# KiCad board Motw.kicad_pcb
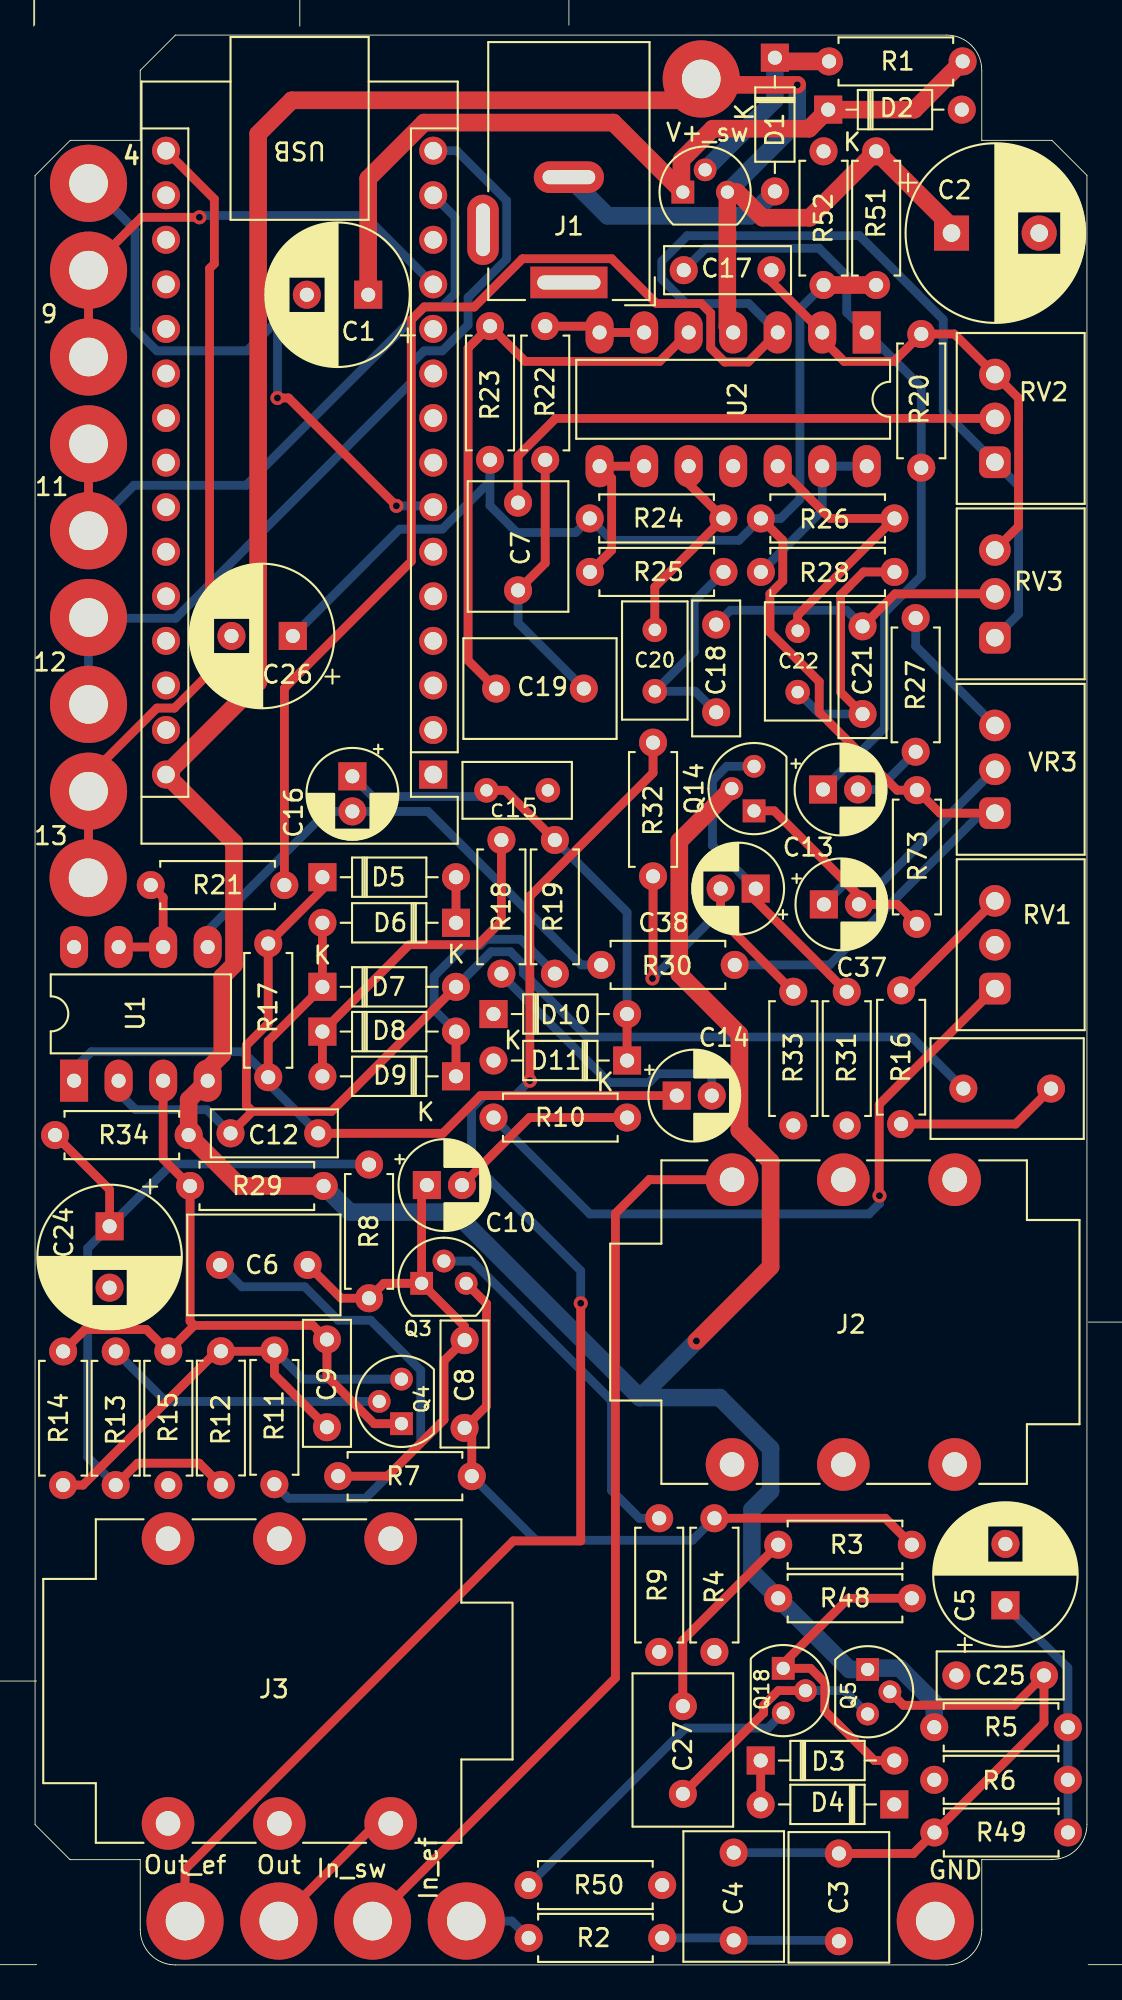
[diagram p0: board, top side]
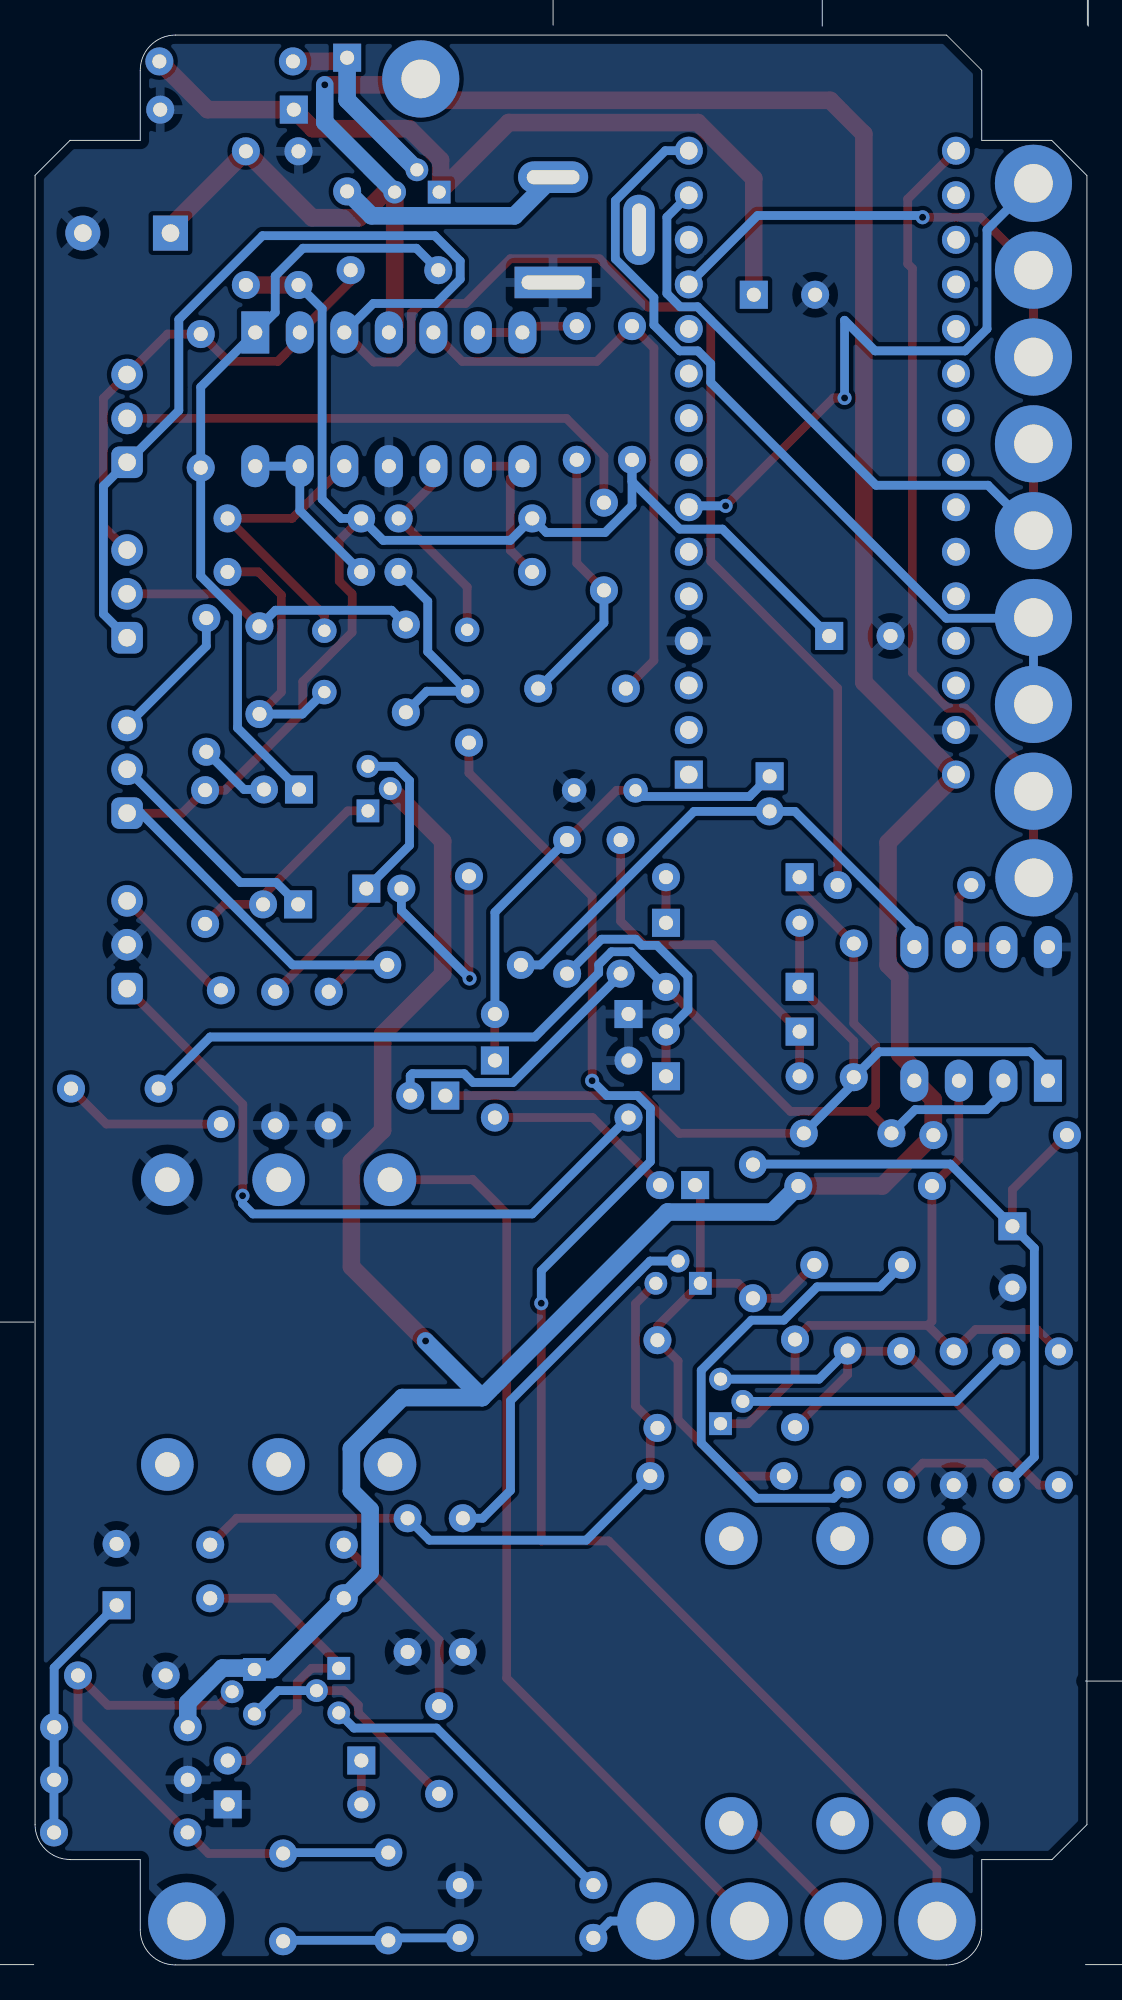
[diagram p1: board, bottom side, seen from below]

Outline 60 x 110 mm; copper layers: Top, Bottom. Coordinates in mm from the lower left corner of the outline.
Outline path: 0,8 0,102 2,104 6,104 6,108 8,110 52,110 arc(53.41,109.41) 54,108 54,104 58,104 60,102 60,8 arc(59.42,6.59) 58,6.01 58,6 54,6 54,2 arc(53.42,0.58) 52,0 8,0 arc(6.59,0.59) 6,2 6,6 1.99,6 0,8

## Placement (name value [footprint] x y rotation side)
4  MountingHole_Pad  [MountingHole_2.2mm_M2_Pad]  3.05 101.55 180 top
9  MountingHole_Pad  [MountingHole_2.2mm_M2_Pad]  3.05 96.6 180 top
9#2  MountingHole_Pad  [MountingHole_2.2mm_M2_Pad]  3.05 91.65 180 top
11  MountingHole_Pad  [MountingHole_2.2mm_M2_Pad]  3.05 81.75 0 top
11#2  MountingHole_Pad  [MountingHole_2.2mm_M2_Pad]  3.05 86.7 0 top
12  MountingHole_Pad  [MountingHole_2.2mm_M2_Pad]  3.05 71.85 0 top
12#2  MountingHole_Pad  [MountingHole_2.2mm_M2_Pad]  3.05 76.8 0 top
13  MountingHole_Pad  [MountingHole_2.2mm_M2_Pad]  3.02 61.96 180 top
13#2  MountingHole_Pad  [MountingHole_2.2mm_M2_Pad]  3.05 66.9 180 top
A1  Arduino_Nano_v3.x  [Arduino_Nano]  22.71 67.85 180 top
C1  47u  [CP_Radial_D8.0mm_P3.50mm]  19 95.2 180 top
C2  100u  [CP_Radial_D10.0mm_P5.00mm]  52.28 98.72 0 top
C3  1u  [C_Rect_L7.2mm_W5.5mm_P5.00mm_FKS2_FKP2_MKS2_MKP2]  45.85 6.35 270 top
C4  1u  [C_Rect_L7.2mm_W5.5mm_P5.00mm_FKS2_FKP2_MKS2_MKP2]  39.85 6.4 270 top
C5  47u  [CP_Radial_D8.0mm_P3.50mm]  55.35 20.5 90 top
C6  47n  [C_Rect_L8.5mm_W5.5mm_P5.00mm_FKS2_FKP2_MKS2_MKP2]  15.55 39.9 180 top
C7  47u  [C_Rect_L7.2mm_W5.5mm_P5.00mm_FKS2_FKP2_MKS2_MKP2]  27.55 78.35 90 top
C8  100p  [C_Rect_L7.0mm_W2.5mm_P5.00mm]  24.5 30.61 90 top
C9  10u  [C_Rect_L7.0mm_W2.5mm_P5.00mm]  16.65 30.65 90 top
C10  47n  [CP_Radial_D5.0mm_P2.00mm]  22.35 44.45 0 top
C11  100p  [C_Rect_L8.5mm_W5.5mm_P5.00mm_FKS2_FKP2_MKS2_MKP2]  52.95 49.95 0 top
C12  47n  [C_Rect_L7.0mm_W2.5mm_P5.00mm]  11.15 47.4 0 top
C13  100p  [CP_Radial_D5.0mm_P2.00mm]  44.94 67 0 top
C14  1u  [CP_Radial_D5.0mm_P2.00mm]  36.6 49.55 0 top
C15  68n  [C_Rect_L6.0mm_W3.0mm_P3.50mm_MKS02_FKP02]  25.75 66.95 0 top
C16  4.7n  [CP_Radial_D5.0mm_P2.00mm]  18.1 67.75 270 top
C17  6.8n  [C_Rect_L7.0mm_W2.5mm_P5.00mm]  42 96.6 180 top
C18  1n  [C_Rect_L7.5mm_W3.0mm_P5.00mm]  38.85 71.4 90 top
C19  1u  [C_Rect_L8.5mm_W5.5mm_P5.00mm_FKS2_FKP2_MKS2_MKP2]  26.3 72.75 0 top
C20  1.5u  [C_Rect_L6.5mm_W3.5mm_P3.50mm_MKS02_FKP02]  35.35 76.1 270 top
C21  0.1u  [C_Rect_L7.5mm_W3.0mm_P5.00mm]  47.2 71.3 90 top
C22  0.15u  [C_Rect_L6.5mm_W3.5mm_P3.50mm_MKS02_FKP02]  43.5 76.05 270 top
C24  10u  [CP_Radial_D8.0mm_P3.50mm]  4.25 42.1 270 top
C25  150p  [C_Rect_L7.0mm_W2.5mm_P5.00mm]  57.55 16.5 180 top
C26  47u  [CP_Radial_D8.0mm_P3.50mm]  14.7 75.75 180 top
C27  10u  [C_Rect_L8.5mm_W5.5mm_P5.00mm_FKS2_FKP2_MKS2_MKP2]  36.95 9.75 90 top
C37  10u  [CP_Radial_D5.0mm_P2.00mm]  44.99 60.45 0 top
C38  10u  [CP_Radial_D5.0mm_P2.00mm]  41.11 61.35 180 top
D1  1N4007  [D_DO-35_SOD27_P7.62mm_Horizontal]  42.2 108.71 270 top
D2  VF=11V  [D_DO-35_SOD27_P7.62mm_Horizontal]  45.24 105.75 0 top
D3  1N4148  [D_DO-35_SOD27_P7.62mm_Horizontal]  41.39 11.65 0 top
D4  1N4148  [D_DO-35_SOD27_P7.62mm_Horizontal]  49.01 9.15 180 top
D5  1N4148  [D_DO-35_SOD27_P7.62mm_Horizontal]  16.39 62 0 top
D6  1N4148  [D_DO-35_SOD27_P7.62mm_Horizontal]  24.01 59.4 180 top
D7  1N4148  [D_DO-35_SOD27_P7.62mm_Horizontal]  16.39 55.75 0 top
D8  1N34A  [D_DO-35_SOD27_P7.62mm_Horizontal]  16.39 53.2 0 top
D9  1N34A  [D_DO-35_SOD27_P7.62mm_Horizontal]  24.01 50.65 180 top
D10  1N4148  [D_DO-35_SOD27_P7.62mm_Horizontal]  26.15 54.2 0 top
D11  1N4148  [D_DO-35_SOD27_P7.62mm_Horizontal]  33.77 51.55 180 top
GND  MountingHole_Pad  [MountingHole_2.2mm_M2_Pad]  51.35 2.5 0 top
In_ef  MountingHole_Pad  [MountingHole_2.2mm_M2_Pad]  24.6 2.5 270 top
In_sw  MountingHole_Pad  [MountingHole_2.2mm_M2_Pad]  19.25 2.5 180 top
J1  Barrel_Jack_Switch  [BarrelJack_Effector]  30.45 95.9 180 top
J2  AudioJack3  [Jack_6.35mm_Neutrik_NMJ6HCD2_Horizontal]  39.75 44.75 0 top
J3  AudioJack2  [Jack_6.35mm_Neutrik_NMJ6HCD2_Horizontal]  20.28 8.06 180 top
Out  MountingHole_Pad  [MountingHole_2.2mm_M2_Pad]  13.9 2.5 0 top
Out_ef  MountingHole_Pad  [MountingHole_2.2mm_M2_Pad]  8.55 2.5 0 top
Q1  2SC2240  [TO-92_231]  36.95 101.05 0 top
Q3  2SA970  [TO-92_231]  22.05 38.85 0 top
Q4  2SC2240  [TO-92_231]  20.9 30.85 90 top
Q5  2SK30A  [TO-92]  47.49 16.84 270 top
Q14  2SC2240  [TO-92_231]  41.01 65.78 90 top
Q18  2SC2240  [TO-92_231]  42.67 16.91 270 top
R1  2.2k  [R_Axial_DIN0207_L6.3mm_D2.5mm_P7.62mm_Horizontal]  45.29 108.5 0 top
R2  10k  [R_Axial_DIN0207_L6.3mm_D2.5mm_P7.62mm_Horizontal]  28.16 1.54 0 top
R3  1k  [R_Axial_DIN0207_L6.3mm_D2.5mm_P7.62mm_Horizontal]  42.39 23.95 0 top
R4  22k  [R_Axial_DIN0207_L6.3mm_D2.5mm_P7.62mm_Horizontal]  38.75 17.84 90 top
R5  33k  [R_Axial_DIN0207_L6.3mm_D2.5mm_P7.62mm_Horizontal]  51.29 13.55 0 top
R6  33k  [R_Axial_DIN0207_L6.3mm_D2.5mm_P7.62mm_Horizontal]  58.91 10.55 180 top
R7  100k  [R_Axial_DIN0207_L6.3mm_D2.5mm_P7.62mm_Horizontal]  24.91 27.86 180 top
R8  470k  [R_Axial_DIN0207_L6.3mm_D2.5mm_P7.62mm_Horizontal]  19.05 38 90 top
R9  10k  [R_Axial_DIN0207_L6.3mm_D2.5mm_P7.62mm_Horizontal]  35.6 17.84 90 top
R10  22  [R_Axial_DIN0207_L6.3mm_D2.5mm_P7.62mm_Horizontal]  26.15 48.3 0 top
R11  150  [R_Axial_DIN0207_L6.3mm_D2.5mm_P7.62mm_Horizontal]  13.65 27.4 90 top
R12  22k  [R_Axial_DIN0207_L6.3mm_D2.5mm_P7.62mm_Horizontal]  10.6 34.98 270 top
R13  100k  [R_Axial_DIN0207_L6.3mm_D2.5mm_P7.62mm_Horizontal]  4.6 34.97 270 top
R14  470k  [R_Axial_DIN0207_L6.3mm_D2.5mm_P7.62mm_Horizontal]  1.6 27.35 90 top
R15  120  [R_Axial_DIN0207_L6.3mm_D2.5mm_P7.62mm_Horizontal]  7.6 27.35 90 top
R16  10k  [R_Axial_DIN0207_L6.3mm_D2.5mm_P7.62mm_Horizontal]  49.4 55.55 270 top
R17  68k  [R_Axial_DIN0207_L6.3mm_D2.5mm_P7.62mm_Horizontal]  13.3 58.22 270 top
R18  47k  [R_Axial_DIN0207_L6.3mm_D2.5mm_P7.62mm_Horizontal]  26.6 56.5 90 top
R19  220k  [R_Axial_DIN0207_L6.3mm_D2.5mm_P7.62mm_Horizontal]  29.65 56.5 90 top
R20  10k  [R_Axial_DIN0207_L6.3mm_D2.5mm_P7.62mm_Horizontal]  50.55 92.96 270 top
R21  100k  [R_Axial_DIN0207_L6.3mm_D2.5mm_P7.62mm_Horizontal]  6.6 61.55 0 top
R22  100k  [R_Axial_DIN0207_L6.3mm_D2.5mm_P7.62mm_Horizontal]  29.1 93.41 270 top
R23  82k  [R_Axial_DIN0207_L6.3mm_D2.5mm_P7.62mm_Horizontal]  25.95 85.79 90 top
R24  10k  [R_Axial_DIN0207_L6.3mm_D2.5mm_P7.62mm_Horizontal]  31.64 82.45 0 top
R25  330  [R_Axial_DIN0207_L6.3mm_D2.5mm_P7.62mm_Horizontal]  31.65 79.4 0 top
R26  330  [R_Axial_DIN0207_L6.3mm_D2.5mm_P7.62mm_Horizontal]  41.4 82.45 0 top
R27  330  [R_Axial_DIN0207_L6.3mm_D2.5mm_P7.62mm_Horizontal]  50.23 76.77 270 top
R28  68k  [R_Axial_DIN0207_L6.3mm_D2.5mm_P7.62mm_Horizontal]  41.4 79.4 0 top
R29  3.3k  [R_Axial_DIN0207_L6.3mm_D2.5mm_P7.62mm_Horizontal]  8.84 44.4 0 top
R30  3.3k  [R_Axial_DIN0207_L6.3mm_D2.5mm_P7.62mm_Horizontal]  32.29 57 0 top
R31  4.7k  [R_Axial_DIN0207_L6.3mm_D2.5mm_P7.62mm_Horizontal]  46.3 55.47 270 top
R32  100k  [R_Axial_DIN0207_L6.3mm_D2.5mm_P7.62mm_Horizontal]  35.25 62.05 90 top
R33  10k  [R_Axial_DIN0207_L6.3mm_D2.5mm_P7.62mm_Horizontal]  43.25 55.47 270 top
R34  100k  [R_Axial_DIN0207_L6.3mm_D2.5mm_P7.62mm_Horizontal]  8.76 47.3 180 top
R48  33k  [R_Axial_DIN0207_L6.3mm_D2.5mm_P7.62mm_Horizontal]  50.01 20.9 180 top
R49  1M  [R_Axial_DIN0207_L6.3mm_D2.5mm_P7.62mm_Horizontal]  51.3 7.55 0 top
R50  470  [R_Axial_DIN0207_L6.3mm_D2.5mm_P7.62mm_Horizontal]  28.15 4.55 0 top
R51  33k  [R_Axial_DIN0207_L6.3mm_D2.5mm_P7.62mm_Horizontal]  47.97 103.38 270 top
R52  33k  [R_Axial_DIN0207_L6.3mm_D2.5mm_P7.62mm_Horizontal]  44.97 95.75 90 top
R73  100k  [R_Axial_DIN0207_L6.3mm_D2.5mm_P7.62mm_Horizontal]  50.3 59.34 90 top
RV1  250k  [Potentiometer_RD9]  54.75 55.65 180 top
RV2  10k  [Potentiometer_RD9]  54.75 85.65 180 top
RV3  10k  [Potentiometer_RD9]  54.75 75.65 180 top
U1  TL072  [DIP-8_W7.62mm_LongPads]  2.22 50.4 90 top
U2  TL074  [DIP-14_W7.62mm_LongPads]  47.44 93.05 270 top
V+_sw  MountingHole_Pad  [MountingHole_2.2mm_M2_Pad]  38 107.5 0 top
VR3  10k  [Potentiometer_RD9]  54.75 65.65 180 top

## Library data of the parts
4 9 9#2 11 11#2 12 12#2 13 13#2 GND In_ef In_sw Out Out_ef V+_sw = -: Description: Mounting Hole with connection
A1 = -: Description: Arduino Nano v3.x
C1 C2 C5 C7 C9 C14 C19 C24 C26 C27 = -: Description: Polarized capacitor
C3 C4 C6 C8 C10-C13 C15-C18 C20-C22 C25 = -: Description: Unpolarized capacitor
C37 C38 = -: Description: Polarized capacitor, small symbol
D1 D6 D7 D9-D11 = -: Description: Diode; Sim.Device: D; Sim.Pins: 1=K 2=A
D2 = -: Description: Zener diode
D3-D5 D8 = -: Description: Diode; Sim.Device: D; Sim.Pins: 1=K 2=A; Field6: K
J1 = -: Description: DC Barrel Jack with an internal switch
J2 = -: Description: Audio Jack, 3 Poles (Stereo / TRS)
J3 = -: Description: Audio Jack, 2 Poles (Mono / TS)
Q1 Q4 Q14 Q18 = -: Description: NPN transistor, base/emitter/collector
Q3 = -: Description: Bipolar transistor symbol for simulation only, substrate tied to the emitter; Sim.Device: PNP; Sim.Pins: 1=C 2=B 3=E; Sim.Type: GUMMELPOON
Q5 = -: Description: 20mA Id, 25V Vgs, N-Channel JFET Transistor, TO-92
R1-R34 R48-R52 = -: Description: Resistor
R73 = -: Description: Resistor, small symbol
RV1-RV3 VR3 = -: Description: Potentiometer
U1 = -: Description: Dual Low-Noise JFET-Input Operational Amplifiers, DIP-8/SOIC-8
U2 = -: Description: Quad Low-Noise JFET-Input Operational Amplifiers, DIP-14/SOIC-14

## Footprints (pads in the part's own frame, mm; a bottom-side part is the same pattern mirrored in y, then rotated)
Arduino_Nano
  rect 1.6x1.6 hole 1: 1(0,0)
  oval 1.6x1.6 hole 1: 2(0,-2.54) 3(0,-5.08) 4(0,-7.62) 5(0,-10.16) 6(0,-12.7) 7(0,-15.24) 8(0,-17.78) 9(0,-20.32) 10(0,-22.86) 11(0,-25.4) 12(0,-27.94) 13(0,-30.48) 14(0,-33.02) 15(0,-35.56) 16(15.24,-35.56) 17(15.24,-33.02) 18(15.24,-30.48) 19(15.24,-27.94) 20(15.24,-25.4) 21(15.24,-22.86) 22(15.24,-20.32) 23(15.24,-17.78) 24(15.24,-15.24) 25(15.24,-12.7) 26(15.24,-10.16) 27(15.24,-7.62) 28(15.24,-5.08) 29(15.24,-2.54) 30(15.24,0)
BarrelJack_Effector
  rect 4.4x1.8 hole 3.6x0.8: 1(0,0)
  oval 4x1.8 hole 3x0.8: 2(0,-6)
  oval 1.8x4 hole 0.8x3: 3(4.9,-3)
C_Rect_L6.0mm_W3.0mm_P3.50mm_MKS02_FKP02
  round 1.4 hole 0.7: 1(0,0) 2(3.5,0)
C_Rect_L6.5mm_W3.5mm_P3.50mm_MKS02_FKP02
  round 1.4 hole 0.7: 1(0,0) 2(3.5,0)
C_Rect_L7.0mm_W2.5mm_P5.00mm
  round 1.6 hole 0.8: 1(0,0) 2(5,0)
C_Rect_L7.2mm_W5.5mm_P5.00mm_FKS2_FKP2_MKS2_MKP2
  round 1.6 hole 0.8: 1(0,0) 2(5,0)
C_Rect_L7.5mm_W3.0mm_P5.00mm
  round 1.6 hole 0.8: 1(0,0) 2(5,0)
C_Rect_L8.5mm_W5.5mm_P5.00mm_FKS2_FKP2_MKS2_MKP2
  round 1.6 hole 0.8: 1(0,0) 2(5,0)
CP_Radial_D5.0mm_P2.00mm
  rect 1.6x1.6 hole 0.8: 1(0,0)
  round 1.6 hole 0.8: 2(2,0)
CP_Radial_D8.0mm_P3.50mm
  rect 1.6x1.6 hole 0.8: 1(0,0)
  round 1.6 hole 0.8: 2(3.5,0)
CP_Radial_D10.0mm_P5.00mm
  rect 2x2 hole 1: 1(0,0)
  round 2 hole 1: 2(5,0)
D_DO-35_SOD27_P7.62mm_Horizontal
  rect 1.6x1.6 hole 0.8: 1(0,0)
  oval 1.6x1.6 hole 0.8: 2(7.62,0)
DIP-8_W7.62mm_LongPads
  rect 2.4x1.6 hole 0.8: 1(0,0)
  oval 2.4x1.6 hole 0.8: 2(0,-2.54) 3(0,-5.08) 4(0,-7.62) 5(7.62,-7.62) 6(7.62,-5.08) 7(7.62,-2.54) 8(7.62,0)
DIP-14_W7.62mm_LongPads
  rect 2.4x1.6 hole 0.8: 1(0,0)
  oval 2.4x1.6 hole 0.8: 2(0,-2.54) 3(0,-5.08) 4(0,-7.62) 5(0,-10.16) 6(0,-12.7) 7(0,-15.24) 8(7.62,-15.24) 9(7.62,-12.7) 10(7.62,-10.16) 11(7.62,-7.62) 12(7.62,-5.08) 13(7.62,-2.54) 14(7.62,0)
Jack_6.35mm_Neutrik_NMJ6HCD2_Horizontal
  round 3 hole 1.4: R(6.35,0) RN(6.35,-16.23) S(12.7,0) SN(12.7,-16.23) T(0,0) TN(0,-16.23)
MountingHole_2.2mm_M2_Pad
  round 4.4 hole 2.2: 1(0,0)
Potentiometer_RD9
  rrect 1.8x1.8 hole 1: 1(0,0)
  round 1.8 hole 1: 2(0,-2.5) 3(0,-5)
R_Axial_DIN0207_L6.3mm_D2.5mm_P7.62mm_Horizontal
  round 1.6 hole 0.8: 1(0,0)
  oval 1.6x1.6 hole 0.8: 2(7.62,0)
TO-92
  rect 1.3x1.3 hole 0.75: 1(0,0)
  round 1.3 hole 0.75: 2(1.27,1.27) 3(2.54,0)
TO-92_231
  rect 1.3x1.3 hole 0.75: 1(0,0)
  round 1.3 hole 0.75: 2(2.54,0) 3(1.27,1.27)

## Nets
+4V: C26.1 R21.1 R22.1 R23.1 R28.2 R32.2 R51.2 R52.1 R73.2 VR3.1
+8V: A1.30 C2.1 Q1.2 Q4.3 Q5.1 Q14.3 R3.1 R5.1 R17.2 R48.2 R51.1 U1.4 U2.4 V+_sw.1
+9V: D1.1 Q1.3 R1.1
GND: A1.4 A1.29 C1.2 C2.2 C5.2 C7.2 C18.2 C25.2 C26.2 D2.2 D4.1 D10.1 D11.2 GND.1 J1.1 J2.S J3.S R6.2 R7.1 R10.1 R16.1 R33.2 R34.2 R50.2 R52.2 RV1.2 U1.8 U2.11
Net-(A1-D4): 4.1 A1.7
Net-(A1-D9): 9.1 9#2.1 A1.12
Net-(A1-D11): 11.1 11#2.1 A1.14
Net-(A1-D12): 12.1 12#2.1 A1.15
Net-(A1-D13): 13.1 13#2.1 A1.16
Net-(C3-Pad2): C3.2 C4.2 R2.2
Net-(C5-Pad1): C5.1 R5.2 R6.1 R49.2
Net-(C6-Pad2): C6.2 R4.1
Net-(C7-Pad1): C7.1 R3.2 R9.2 R13.2 R15.2
Net-(C9-Pad2): C9.2 R11.2
Net-(C10-Pad2): C10.2 R12.1
Net-(C12-Pad2): C12.2 R18.2
Net-(C14-Pad2): C14.2 R20.1
Net-(C15-Pad2): C15.2 C20.1 R25.2
Net-(C16-Pad2): C16.2 C21.1 R26.2
Net-(C17-Pad2): C17.2 C22.1 R27.2
Net-(C20-Pad2): C20.2 RV2.2
Net-(C21-Pad2): C21.2 C22.2 RV3.2
Net-(C23-Pad2): C24.1 R30.2 U2.1
Net-(C24-Pad2): C24.2 R31.2
Net-(C27-Pad1): C27.1
Net-(C28-Pad2): R34.1
Net-(C37-Pad1): C37.1 VR3.2
Net-(C38-Pad2): C38.2
Net-(D1-A): D1.2 J1.2
Net-(D2-K): C1.1 D2.1 Q1.1 R1.2
Net-(D3-A): D3.2 Q18.1 R48.1
Net-(D3-K): D3.1 D4.2
Net-(D5-A): D5.2 D7.1
Net-(D5-K): C12.1 C13.1 D5.1 D6.2 R19.1 U1.2
Net-(D6-K): C13.2 C14.1 D6.1 D7.2 R19.2 U1.1
Net-(D8-A): D8.2 D9.1 R24.1
Net-(D8-K): D8.1 D9.2 R20.2
Net-(D10-A): C18.1 C19.1 D10.2 D11.1 R24.2
Net-(H11-Pad1): In_ef.1 R2.1
Net-(H12-Pad1): In_sw.1 J2.T
Net-(H14-Pad1): Out.1
Net-(H15-Pad1): J3.T Out_ef.1
Net-(Q2-B): C8.1 R4.2 R7.2 R8.1
Net-(Q2-C): C8.2 C9.1 C10.1 R8.2 R9.1
Net-(Q2-E): R10.2
Net-(Q3-B): C11.1 Q3.2 R12.2 R13.1 R14.1
Net-(Q3-C): C11.2 Q3.1 R14.2 R16.2 R17.1 U1.3
Net-(Q3-E): Q3.3 R15.1
Net-(Q4-B): C27.2 Q4.1 R32.1
Net-(Q4-E): Q4.2 R33.1
Net-(Q5-G): C3.1 C4.1 C25.1 Q5.2 R49.1
Net-(Q14-B): C37.2 Q14.1 R73.1
Net-(Q14-E): C38.1 Q14.2
Net-(Q18-C): C6.1 Q5.3 Q18.3
Net-(Q18-E): Q18.2 R50.1
Net-(R11-Pad1): R11.1 RV1.1
Net-(R18-Pad1): R18.1 RV1.3
Net-(R27-Pad1): VR3.3
Net-(R31-Pad1): R31.1
Net-(U1B-+): C19.2 R28.1 U1.5
Net-(U1B--): R29.1 U1.6 U1.7
Net-(U2A-+): R29.2 RV2.1 RV3.1 U2.3
Net-(U2A--): R30.1 RV2.3 RV3.3 U2.2
Net-(U2B-+): C15.1 R21.2 U2.5
Net-(U2B--): R25.1 U2.6 U2.7
Net-(U2C-+): C16.1 R22.2 U2.10
Net-(U2C--): R26.1 U2.8 U2.9
Net-(U2D-+): C17.1 R23.2 U2.12
Net-(U2D--): R27.1 U2.13 U2.14

Pads without a net: A1 1 2 3 5 6 8 9 10 11 13 17 18 19 20 21 22 23 24 25 26 27 28; J1 3; J2 R RN SN TN; J3 R RN SN TN

## Via types
v1: diameter 0.8, hole 0.4, Top to Bottom, 9 vias

## Routing (per net, layer and track width the routed paths; a pad name or vN(x,y) marks a point on that pad's centre or on a via; arc(x,y) is an arc through that point)
+4V: length 113.6
  Top w0.5: R28.2 47.26,79.4 45.95,78.09 45.95,72.55 47.2,71.3 ; VR3.1 51.61,65.65 R73.2 49.17,66.96 44.73,71.4 44.73,73.15 41.92,75.96 41.92,78.15 42.65,78.88 42.65,81.2 41.4,82.45
  Top w1: R51.2 R52.1
  Bottom w0.5: R52.1 43.62,94.41 43.62,83.54 42.53,82.45 41.4,82.45 40.15,81.2 32.89,81.2 31.64,82.45 30.84,81.65 27.48,81.65 25.95,83.18 R23.1 25.95,84.56 23.23,81.84 20.79,81.84 C26.1 ; VR3.1 53.96,65.65 45.31,57 39.91,57 ; 47.2,71.3 44.75,71.3 43.5,72.55
+8V: length 231.3
  Top w1: U2.4 39.49,93.38 Q1.2 40.04,101.05 41.5,99.59 44.19,99.59 R51.1 52.28,99.07 C2.1 ; 16.46,44.4 11.66,44.4 8.76,47.3 8.76,49.31 U1.4 9.84,51.06 10.68,51.9 10.68,56.33 11.34,57 11.34,63.97 A1.30 12.72,73.1 12.72,104.36 14.64,106.28 36.78,106.28 V+_sw.1 38.34,107.16 v1(43.47,107.16) ; v1(37.72,35.56) 41.95,39.79 41.95,45.79 40.17,47.57 40.17,53.05 36.75,56.47 36.75,64.06 Q14.3
  Bottom w1: R5.1 51.29,14.95 49.32,16.92 47.57,16.92 Q5.1 46.45,16.84 R48.2 40.89,22.4 40.89,25.95 41.95,27.01 41.95,29.44 39.05,32.34 34.5,32.34 ; v1(43.47,107.16) 43.47,105.03 Q1.2 ; 34.5,32.34 23.92,42.91 17.94,42.91 16.46,44.4 ; 34.5,32.34 v1(37.72,35.56)
+9V: length 11.2
  Top w1: R1.1 42.41,108.5 D1.1
  Bottom w1: Q1.3 42.2,106.3 D1.1
GND: length 95.1
  Top w0.5: R16.1 49.65,55.55 54.75,60.65 ; 47.2,76.3 49.05,78.15 54.75,78.15 ; 54.75,55.65 48.15,49.05 48.15,43.86 v1(48.16,43.84) ; 54.75,88.15 29.69,88.15 27.55,86.01 C7.2
  Bottom w0.5: 47.2,76.3 46.28,77.21 39.66,77.21 C18.2 ; R10.1 31.64,42.8 47.57,42.8 48.16,43.4 v1(48.16,43.84)
(no net): length 208.2
  Top w0.5: 10.6,27.36 9.36,28.6 5.85,28.6 4.6,27.35 ; 1.14,47.3 4.25,44.19 4.25,42.1 ; 7.3,50.4 7.3,45.93 8.84,44.4 8.84,36.69 9.08,36.45 ; 9.08,36.45 7.6,34.97 6.35,36.22 2.85,36.22 1.6,34.97 ; 9.08,36.45 15.85,36.45 16.65,35.65 16.65,33.54 19.34,30.85 20.9,30.85 ; 36.95,14.75 36.95,18.51 42.39,23.95 ; 13.3,50.6 13.3,52.66 16.39,55.75 16.39,59.4 ; 16.15,47.4 23.26,47.4 25.41,49.55 36.6,49.55 ; 27.55,78.35 29.1,79.9 29.1,85.79
  Bottom w0.5: 19.05,45.62 19.02,45.65 7.8,45.65 4.25,42.1 3,40.85 3,28.95 4.6,27.35 ; 44.94,67 48.45,70.51 48.45,77.06 50.55,79.16 50.55,85.34 50.55,89.94 47.44,93.05 46.3,94.19 46.3,96.27 44.72,97.85 38.25,97.85 37,96.6 ; 50.23,69.15 48.08,67 46.94,67 ; 16.69,59.34 16.63,59.4 ; 27.55,78.35 27.55,76.5 31.3,72.75 ; 2.22,50.4 2.22,51.06 3.21,52.05 11.85,52.05 13.3,50.6 13.3,50.25 16.15,47.4
Net-(A1-D4): length 34.7
  Top w0.5: v1(20.61,83.16) 14.46,89.31 v1(13.82,89.31)
  Bottom w0.5: v1(20.61,83.16) 22.63,83.16 A1.7 ; v1(13.82,89.31) 13.82,93.74 12.08,92 6.95,92 5.7,93.25 5.7,98.9 4.1
Net-(A1-D9): length 27.5
  Top w0.5: 9#2.1 9.1 6.06,99.61 v1(9.38,99.61)
  Bottom w0.5: v1(9.38,99.61) 9.47,99.72 18.78,99.72 A1.12
Net-(A1-D11): length 37.6
  Top w0.5: 11#2.1 11.1
  Bottom w0.5: A1.14 23.96,99.62 23.96,95.27 23.2,94.51 22.21,94.51 12.03,84.34 5.64,84.34 11.1
Net-(A1-D12): length 47.5
  Bottom w0.5: A1.15 24.05,103.41 26.9,100.56 26.9,97.24 24.7,95.04 24.7,93.47 23.23,92 22.19,92 21.46,91.27 21.46,90.2 8.02,76.76 3.09,76.76 12#2.1 12.1
Net-(A1-D13): length 46.1
  Top w0.5: A1.16 10.22,100.66 10.22,96.97 9.95,96.69 9.95,73.64 7.95,71.64 6.95,71.64 3.05,67.74 13#2.1 3.05,62
Net-(C3-Pad2): length 10.2
  Bottom w0.5: C3.2 45.8,1.4 C4.2 39.71,1.54 R2.2
Net-(C5-Pad1): length 14.4
  Bottom w0.5: R49.2 58.92,10.54 R6.1 R5.2 58.91,16.94 C5.1
Net-(C6-Pad2): length 28.1
  Bottom w0.5: 13.65,27.4 14.45,26.6 18.85,26.6 22,29.75 22,33.89 19.14,36.75 17.29,36.75 15.39,38.65 11.8,38.65 C6.2
Net-(C10-Pad2): length 11
  Top w0.5: C10.2 28.2,48.3 33.77,48.3
Net-(C14-Pad2): length 16
  Bottom w0.5: 26.6,56.5 26.6,56.44 32.74,50.3 35.02,50.3 35.52,50.8 38.48,50.8 38.6,50.68 C14.2
Net-(C37-Pad1): length 12.9
  Bottom w0.5: C37.1 46.24,61.7 48.3,61.7 VR3.2
Net-(C38-Pad2): length 20.2
  Top w0.5: 43.25,55.47 39.11,59.61 C38.2 ; 35.25,62.05 35.25,56.26 35.22,56.22
  Bottom w0.5: C38.2 39.11,60.11 35.22,56.22
Net-(D1-A): length 13.2
  Bottom w1: J1.2 32.65,99.7 40.81,99.7 D1.2
Net-(D2-K): length 47.9
  Top w1: C1.1 19,101.82 22.19,105.01 32.98,105.01 Q1.1 36.87,101.13 36.87,102.88 38.66,104.66 44.16,104.66 D2.1 50.16,105.75 R1.2
  Bottom w1: Q1.1 36.87,101.13
Net-(D3-A): length 18.6
  Top w0.5: R48.1 46.4,20.9 42.67,17.17 Q18.1 44.23,16.91 45.04,16.09 45.04,14.48 47.88,11.65 D3.2
Net-(D3-K): length 2.5
  Top w0.5: D3.1 D4.2
Net-(D5-A): length 2.6
  Top w0.5: 24.01,59.4 D5.2
  Bottom w0.5: 24.25,61.99 24.26,62
Net-(D5-K): length 72.9
  Top w0.5: 24.01,55.75 16.91,48.65 12.4,48.65 ; 12.4,48.65 C12.1 ; 12.4,48.65 12.05,49 12.05,52.41 13.3,53.66 13.3,58.22 16.39,61.31 D5.1
  Bottom w0.5: C12.1 9.8,48.75 5.74,48.75 4.77,49.72 U1.2 ; 52.95,49.95 50.01,52.89 31.49,52.89 27.85,56.53 27.85,57.02 27.12,57.75 26.01,57.75 24.01,55.75
Net-(D8-A): length 15.6
  Top w0.5: 24.26,52.95 D8.2 D9.1
  Bottom w0.5: 29.65,56.5 27.69,58.46 25.74,58.46 25.39,58.11 24.53,58.11 22.76,56.35 22.76,54.45 D8.2 24.26,52.95 ; 24.37,53.15 24.32,53.2
Net-(D8-K): length 20
  Top w0.5: D9.2 D8.1 21.34,58.15 25.26,58.15 26.6,59.49 26.6,64.12
Net-(D10-A): length 40
  Top w0.5: D10.2 D11.1 ; 25.75,66.95 26.82,66.95 29.65,64.12
  Bottom w0.5: D10.2 33.77,60 29.65,64.12 ; 18.1,67.75 19.25,66.6 25.4,66.6 25.75,66.95 ; C18.1 37.65,72.6 35.35,72.6 37.6,74.85 37.6,77.73 39.27,79.4
Net-(H11-Pad1): length 4
  Bottom w0.5: In_ef.1 27.2,2.5 R2.1
Net-(H12-Pad1): length 53.5
  Top w0.5: J2.T 35.07,44.75 35.05,44.78 33.1,42.83 33.1,16.35 In_sw.1
Net-(H14-Pad1): length 8.7
  Top w0.5: Out.1 19.47,8.06 20.28,8.06
Net-(H15-Pad1): length 87.6
  Top w0.5: 35.25,69.67 35.25,67.94 28.22,60.91 v1(28.22,50.4) ; v1(31.12,37.71) 31.12,24.17 27.28,24.17 8.55,5.44 Out_ef.1 9.46,2.5
  Bottom w0.5: v1(28.22,50.4) 27.38,49.55 25.63,49.55 24.9,48.82 24.9,45.79 31.12,39.56 v1(31.12,37.71)
Net-(Q3-B): length 39.9
  Top w0.5: 50.01,23.95 48.5,25.46 38.75,25.46 ; Q3.2 25.75,37.69 25.75,31.86 24.5,30.61 24.91,30.2 24.91,27.86
  Bottom w0.5: 24.91,27.86 28.56,24.21 37.5,24.21 38.75,25.46
Net-(Q3-C): length 39.5
  Top w0.5: Q3.1 19.9,38.85 19.05,38 17.45,38 15.55,39.9 ; Q3.1 24.5,36.4 24.5,35.61 23.32,34.43 23.32,31.07 20.11,27.86 17.29,27.86 ; Q3.1 22.05,44.15 22.35,44.45 ; C11.2 55.93,47.93 R16.2
  Bottom w0.5: 19.3,38.19 19.4,38.29
Net-(Q3-E): length 21.3
  Bottom w0.5: Q3.3 24.92,40.12 32.88,32.16 32.88,27.05 34.47,25.46 35.6,25.46
Net-(Q4-B): length 28.8
  Top w0.5: 16.65,30.65 13.65,33.65 13.65,35.02 13.61,34.98 10.6,34.98 10.36,34.98 2.73,27.35 1.6,27.35
  Bottom w0.5: 13.65,35.02 15.28,33.39 20.9,33.39
Net-(Q4-E): length 16.2
  Bottom w0.5: 4.6,34.97 7.45,32.12 19.63,32.12
  vias: v1(35.22,56.22)
Net-(Q5-G): length 33.3
  Top w0.5: C3.1 50.1,6.35 R49.1 57.55,13.8 C25.1 55.85,14.8 49.53,14.8 Q5.2
  Bottom w0.5: C4.1 45.8,6.4 C3.1
Net-(Q14-B): length 12.3
  Top w0.5: R73.1 49.19,60.45 C37.2 46.99,60.95 42.16,65.78 Q14.1
Net-(Q14-E): length 17.9
  Top w0.5: C38.1 41.11,60.66 46.3,55.47
  Bottom w0.5: C38.1 38.64,63.82 38.64,67.51 39.45,68.32 Q14.2
Net-(Q18-C): length 13.8
  Top w0.5: Q18.3 42.39,15.63 41.56,14.81 41.56,14.36 36.95,9.75
  Bottom w0.5: Q5.3 46.16,15.63 Q18.3
Net-(Q18-E): length 18.6
  Bottom w0.5: Q18.2 41.81,13.5 37.1,13.5 R50.1
Net-(R27-Pad1): length 8
  Bottom w0.5: VR3.3 50.23,75.17 50.23,76.77
Net-(U1B-+): length 29.8
  Bottom w0.5: 32.29,57 31.16,57 22.41,65.75 18.1,65.75 16.65,65.75 9.84,58.94 U1.5
Net-(U1B--): length 6.4
  Top w0.5: 6.6,61.55 7.3,60.84 U1.6 U1.7
Net-(U2A-+): length 109.9
  Top w0.5: 14.22,61.55 14.22,72.77 21.46,80.01 21.46,93.77 22.19,94.5 25.05,94.5 27.8,97.25 32.89,97.25 35.44,94.7 37.99,94.7 38.54,94.15 38.54,92.16 39.33,91.36 40.67,91.36 U2.3
  Bottom w0.5: RV3.1 56.1,77 56.1,84.3 RV2.1 51.8,88.6 51.8,93.79 47.03,98.56 37.2,98.56 35.75,97.12 35.75,96.08 37.13,94.7 40.71,94.7 U2.3
Net-(U2A--): length 28.2
  Top w0.5: RV3.3 56.1,82 56.1,89.3 RV2.3 52.44,92.96 50.55,92.96 48.99,91.4 46.15,91.4 44.9,92.65 U2.2 42,95.95 42,96.6
Net-(U2B-+): length 34.7
  Top w0.5: 26.3,72.75 24.7,74.35 24.7,92.16 25.95,93.41 27.96,91.4 35.63,91.4 U2.5
Net-(U2B--): length 6.3
  Top w0.5: 29.1,93.41 31.84,93.41 U2.7 U2.6
  Bottom w0.5: 31.84,93.41 U2.7
Net-(U2C-+): length 11.8
  Top w0.5: 35.35,76.1 35.35,78.54 39.26,82.45 37.28,84.43 U2.10
Net-(U2C--): length 9.4
  Top w0.5: U2.9 U2.8 32.89,84.74 32.89,80.64 31.65,79.4
Net-(U2D-+): length 16.6
  Top w0.5: U2.12 45.34,82.45 49.02,82.45 43.5,76.93 43.5,76.05
Net-(U2D--): length 10
  Bottom w0.5: U2.14 U2.13 44.9,82.9 41.4,79.4

## Copper pours and planes (outline as drawn; the poured copper is in the pictures)
GND on Bottom: 59.97,0.01 -0.03,0.01 -0.08,0.06 -0.08,110.01 -0.03,110.06 60.03,110.06 60.03,0.01 59.78,0.01 59.38,0.41 59.78,0.41 59.97,0.22

## Text on the board
F.Silkscreen: Q3 | C20 | C22 | Q4 | Q18 | Q5 | c15 | 4
